# Altium PCB HV_Module_6W.PCBDOC (part 3 of 4)
Units mil, origin at the board's own origin, x right, y up, seen from the top; angles counter-clockwise.
Board outline 5826.77 x 3385.83 mil, 4 copper layers (Top, L2, L3, Bot), stack 62.992 mil thick; 457 components, 280 nets, 1264 pads, 435 vias.
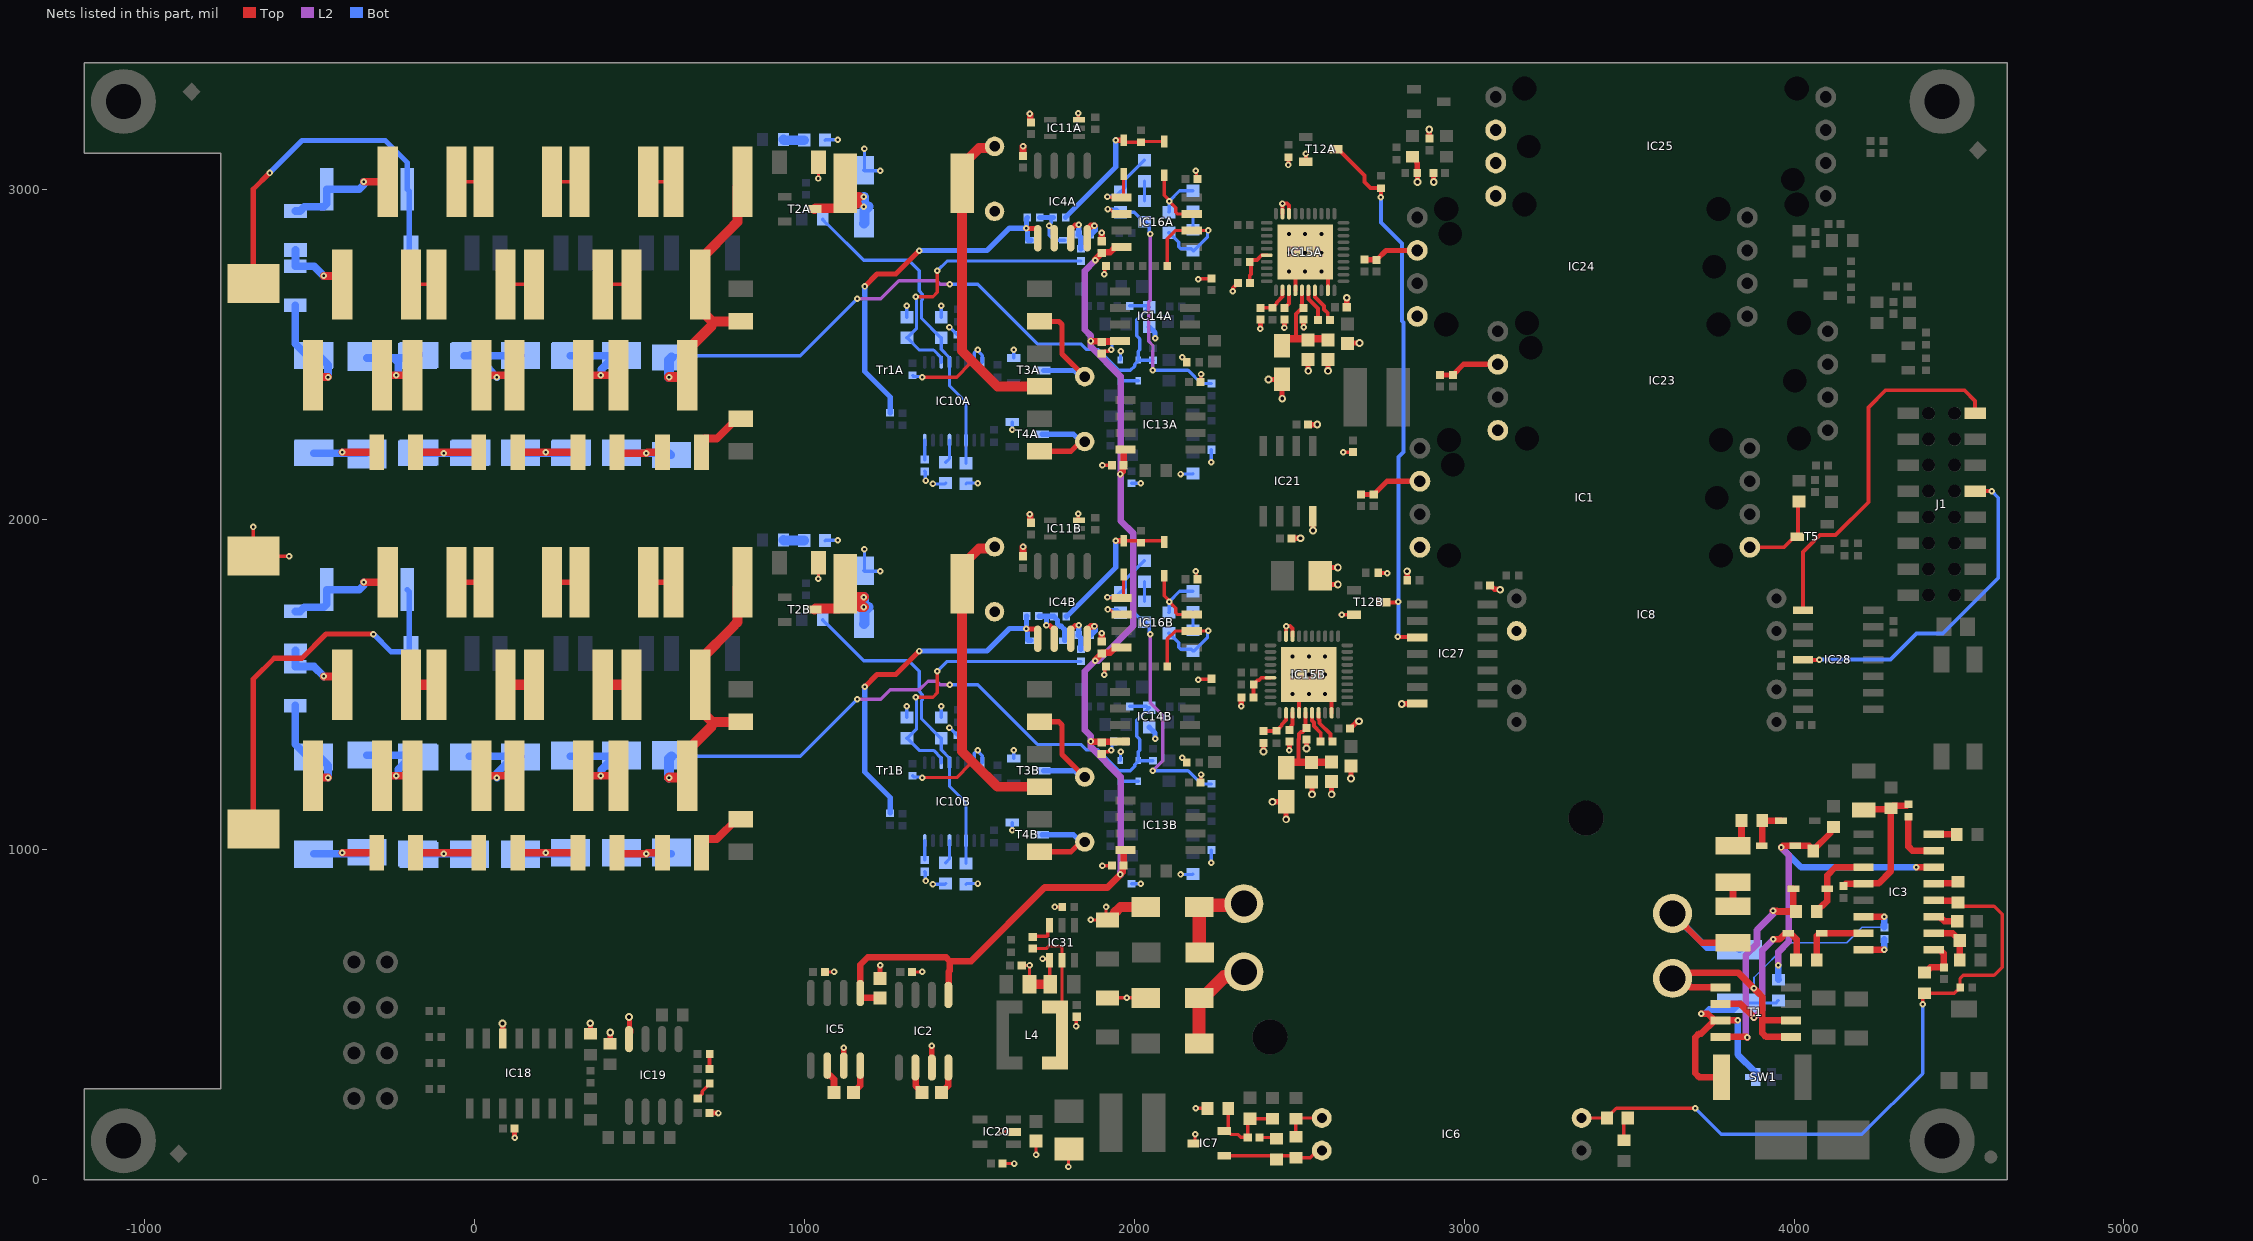
[diagram p5: the nets of this part, all layers, seen from the top]

## Via types
v1: diameter 19.68, hole 7.87, Top to Bot, tented both sides, 271 vias
v2: diameter 23.62, hole 11.81, Top to Bot, 80 vias
v3: diameter 19.68, hole 7.87, Top to Bot, 61 vias
v4: diameter 27.56, hole 15.75, Top to Bot, 23 vias

## Nets (pads, with @x,y where several pads share a name; then routed paths per layer and width w, separated by ;. In a path a pad name is that pad's centre, name@x,y a point inside that pad or via, vN(x,y) a via of type N, cw(c..) or ccw(c..) an arc to the next point about the centre after c; other vN are vias at no path point) (continued)
GNDp: C2.2 C3.2 C5A.1 C5B.1 C7.2 C8.1 C10.1 C11A.1 C11B.1 C12A.1 C12B.1 C14A.2 C14B.2 C15A.1 C15B.1 C16A.1 C16B.1 C17A.1 C17B.1 C18A.1 C18B.1 C19A.1 C19B.1 C20A.1 C20B.1 C21A.1 C21B.1 C22A.1 C22B.1 C24A.1 C24B.1 C25.1 C32.1 C34.2 C35.2 C42.1 C45.1 C47.1 C50.2 C51.1 C52.1 C53.2 C54.1 C55.1 C57.1 C59.1 C62.1 C65.1 C66.1 C67.1 C68.2 C69A.1 C69B.1 C70A.2 C70B.2 C71A.1 C71B.1 C72A.1 C72B.1 C74A.2 C74B.2 C75A.2 C75B.2 C77A.1 C77B.1 C81A.1 C81B.1 C82A.1 C82B.1 C84A.1 C84B.1 C85A.1 C85B.1 C88A.1 C88B.1 C89A.1 C89B.1 C92A.1 C92B.1 C93A.1 C93B.1 C97.2 C100.2 D7.2 D8.2 D11A.2 D11B.2 D18A.1 D18B.1 IC1.5 IC1.7 IC2.3 IC4A.4 IC4B.4 IC5.3 IC7.3 IC8.2 IC10A.15 IC10A.16 IC10B.15 IC10B.16 IC11A.3 IC11B.3 IC15A.18 IC15A.19 IC15A.34 IC15A.39 IC15A.41 IC15B.18 IC15B.19 IC15B.34 IC15B.39 IC15B.41 IC18.12 IC19.4 IC20.2 IC21.4 IC23.5 IC23.7 IC24.5 IC24.7 IC25.2 IC25.3 IC25.4 IC27.7 IC31.1 J3.1 R8.1 R21.1 R37.1 R46A.2 R46B.2 R55A.2 R55B.2 R58A.1 R58B.1 R59.1 R60A.2 R60B.2 R64A.1 R64B.1 R68.1 R92A.1 R92B.1 R104.1 R105.1 R111A.1 R111B.1 T3A.2 T3B.2 T4A.2 T4B.2 T12A.2 T12B.2 | length 6194.8
  Top w10: v1(-669.29,1978.35) J3.1@-669.29,1889.76 v1(-561.02,1889.76) ; v1(1043.31,1820.87) C70B.2@1043.31,1870.08 ; v1(1043.31,3034.45) C70A.2@1043.31,3083.66 ; C68.2@1062.99,629.92 v1(1090.55,629.92) ; C97.2@1326.77,629.92 v1(1357.48,629.92) ; v1(1597.21,147.64) 1598.59,146.26 1633.46,146.26 IC20.2@1634.84,144.89 ; C66.1@1601.37,49.21 v1(1636.81,49.21) ; C42.1@1659.45,649.61 v1(1683.07,649.61) C45.1@1683.07,592.52 ; v1(1702.76,75.35) C47.1@1702.76,118.11 ; v1(1722.44,669.29) 1740.16,669.29 IC31.1@1744.09,665.35 1744.09,594.49 C32.1@1746.06,592.52 ; v1(1759.93,826.77) R8.1@1781.69,826.77 ; v1(1801.18,39.37) 1801.18,91.46 C100.2@1802.88,93.16 ; v1(1823.98,464.89) 1825.09,466 1825.09,492.99 C25.1@1826.19,494.09 ; v1(1830.52,2018.86) 1830.52,2001.37 IC11B.3@1832.87,1999.02 ; v1(1830.52,3232.44) 1830.52,3214.95 IC11A.3@1832.87,3212.6 ; v1(1869.07,787.4) C34.2@1919.29,787.4 1914.96,791.73 v1(1914.96,826.77) ; C20B.1@1902,1289.96 1909.21,1297.17 1923.96,1297.17 1928.69,1301.89 v1(1931.31,1301.89) ; C20A.1@1902,2503.54 1909.21,2510.75 1923.96,2510.75 1928.69,2515.47 v1(1931.31,2515.47) ; v1(1904.21,951.77) C22B.1@1932.68,951.77 ; v1(1904.21,2165.35) C22A.1@1932.68,2165.35 ; v1(1909.45,1531.1) 1911.3,1532.96 1911.3,1552.44 C93B.1@1914.96,1556.1 ; v1(1909.45,2744.69) 1911.3,2746.54 1911.3,2766.03 C93A.1@1914.96,2769.69 ; C35.2@1919.29,551.18 v1(1978.35,551.18) D8.2@2035.43,551.18 ; v1(2145.66,1279.52) 2145.66,1279.33 2160.24,1264.76 R92B.1@2160.24,1263.98 ; v1(2145.66,2493.11) 2145.66,2492.92 2160.24,2478.35 R92A.1@2160.24,2477.56 ; IC7.3@2183.07,110.24 2184.83,112 v1(2184.83,137.41) ; v1(2186.65,216.54) R37.1@2222.44,216.54 ; v1(2187.2,1844.54) 2189.06,1842.68 2189.06,1822.36 C89B.1@2191.54,1819.88 ; v1(2187.2,3058.12) 2189.06,3056.26 2189.06,3035.94 C89A.1@2191.54,3033.46 ; v1(2194.88,1515.74) 2196.16,1517.03 2232.97,1517.03 C92B.1@2234.25,1518.31 ; v1(2194.88,2729.33) 2196.16,2730.61 2232.97,2730.61 C92A.1@2234.25,2731.89 ; C16B.1@2201.38,1203.94 2202.09,1204.65 2202.09,1227.37 v1(2202.81,1228.08) ; C16A.1@2201.38,2417.52 2202.09,2418.23 2202.09,2440.95 v1(2202.81,2441.67) ; v1(2633.33,2204.92) C57.1@2663.3,2204.92
  Top w11.81: v1(2298.74,2692.5) 2300.25,2694.01 2300.25,2702.52 2316.24,2718.51 C5A.1@2316.24,2723.26 ; IC15A.19@2449.61,2927.79 2449.61,2958.4 v1(2449.76,2958.55) 2464.06,2958.55 2469.29,2953.33 IC15A.18@2469.29,2927.79 ; IC15B.19@2460.63,1647.24 2460.63,1677.85 v1(2460.78,1678) 2460.93,1677.85 2472.85,1677.85 2480.31,1670.39 IC15B.18@2480.31,1647.24 ; R64A.1@2467.72,3099.55 R64A.1@2467.72,3099.55 2467.76,3075.53 v3(2467.79,3075.49) ; C11B.1@2470.47,1327.95 C11B.1@2470.62,1327.8 ; v3@2470.62,1303.75 v3@2470.77,1303.6 ; IC15A.34@2488.98,2695.51 2488.98,2782.12 IC15A.41@2518.5,2811.65 2587.4,2742.75 IC15A.39@2587.4,2695.51 ; IC15B.34@2500,1414.96 2500,1501.57 v2(2529.53,1531.1) 2598.43,1462.2 IC15B.39@2598.43,1414.96 ; T12A.2@2520.47,3085.43 v3@2520.47,3109.41 ; v3@2625.38,1712.2 T12B.2@2666.26,1712.2 ; R64B.1@2739.67,1839.57 2740.54,1838.7 2766.69,1838.7 v3(2767.56,1837.83)
  Top w15.75: v2(86.05,473.16) 86.34,472.86 IC18.12@86.34,445.85 ; C51.1@122.56,154.72 122.56,127.71 v3(122.86,127.42) ; v2(351.89,474.35) 352.19,474.05 R59.1@352.19,447.04 ; v2(412.31,446.15) 412.61,445.85 R68.1@412.61,418.84 ; v2(469.42,492.84) 470.92,491.33 470.92,457.7 474.73,453.89 IC19.4@474.73,447.26 ; C52.1@713.12,201.97 740.13,201.97 v3(740.43,202.27) ; IC5.3@1120.08,345.91 v1(1120.08,400.6) ; C67.1@1230.31,610.24 v1(1230.31,649.61) ; IC2.3@1387.01,340.13 v1(1387.01,406.27) ; C5B.1@2324.8,1462.2 2324.8,1435.19 v3(2325.1,1434.9) ; v3(2382.68,2578.78) C12A.1@2382.68,2606.73 ; C12B.1@2391.73,1324.02 2392.03,1323.72 2392.03,1297.8 v2(2392.33,1297.5) ; v2(2407.22,2425.15) 2407.52,2425.45 2445.42,2425.45 C14A.2@2445.72,2425.75 ; v2(2419.62,1145.33) 2419.92,1145.63 2457.82,1145.63 C14B.2@2458.12,1145.93 ; C14A.2@2448.32,2405.76 2448.62,2405.45 2448.62,2367.56 v2(2448.93,2367.25) ; C11A.1@2455.48,2609.13 2455.48,2582.11 v3(2455.77,2581.82) ; C14B.2@2460.33,1130.88 2460.63,1130.58 2460.63,1092.68 v2(2460.93,1092.38) ; v3@2470.62,1303.75 C11B.1@2470.62,1327.8 ; C54.1@2477.06,1943.96 2504.07,1943.96 v2(2504.37,1944.26) ; C18A.1@2513.83,2609.43 2513.83,2582.42 v3@2514.13,2582.12 ; C18B.1@2522.39,1333.86 2522.39,1306.85 v2(2522.68,1306.55) ; C17A.1@2527.06,2496.99 C17A.1@2527.36,2496.69 ; C17A.1@2527.36,2489.8 2527.36,2451.9 v2(2527.67,2451.6) ; C55.1@2527.64,2288.45 2554.65,2288.45 v2(2554.95,2288.75) ; C17B.1@2538.78,1193.04 2538.78,1166.03 v2@2539.07,1165.74 ; IC21.4@2541.94,1994.64 2541.94,1967.63 v2(2542.23,1967.33) ; C15A.1@2587.1,2496.99 C15A.1@2587.4,2496.69 ; C15A.1@2587.4,2489.8 2587.4,2451.9 v2(2587.7,2451.6) ; C53.2@2590.16,1855.25 2617.17,1855.25 v2(2617.47,1855.55) ; C53.2@2592.34,1803.57 2619.35,1803.57 v2@2619.65,1803.87 ; C15B.1@2598.12,1206.6 C15B.1@2598.43,1206.3 2598.43,1168.4 v2(2598.73,1168.1) ; v2(2644.39,2672.98) 2644.68,2672.68 C24A.1@2644.68,2645.67 ; C19A.1@2646.46,2535.05 2646.96,2535.56 2682.56,2535.56 v2(2683.07,2536.06) ; C24B.1@2654.52,1367.42 2675.08,1387.98 2680.32,1387.98 v2(2681.83,1389.48) ; C19B.1@2657.18,1254.81 C19B.1@2657.48,1254.5 2657.48,1216.61 v2(2657.78,1216.3) ; C59.1@2687.18,2076.77 C2.2@2726.38,2076.77 2766.54,2116.93 IC1.7@2866.14,2116.93 ; C8.1@2698.07,2788.39 2698.25,2788.21 2735.06,2788.21 C7.2@2735.24,2788.03 2763.07,2815.87 2857.6,2815.87 IC24.7@2858.27,2816.54 ; v2(2811.27,1442.22) 2811.57,1442.52 IC27.7@2838.58,1442.52 ; v2(2827.66,1844.24) 2827.95,1843.94 R21.1@2827.95,1816.93 ; R105.1@2844.49,3100 2846.46,3100 2856.3,3090.16 2856.3,3082.9 2858.27,3080.93 R104.1@2858.27,3051.18 2858.56,3050.88 2858.56,3023.87 v2(2858.86,3023.57) ; v2(2894.39,3182.82) 2894.68,3182.52 C65.1@2894.68,3155.51 ; C62.1@2907.48,3051.18 2907.78,3050.88 2907.78,3023.87 v2(2908.07,3023.57) ; C10.1@2927.2,2438.23 2927.57,2438.6 2965.77,2438.6 C3.2@2966.14,2438.98 2998.43,2471.26 IC23.7@3102.36,2471.26 ; C50.2@3078.74,1801.18 3083.07,1796.85 3085.15,1796.85 3092.3,1789.71 3107.93,1789.71 v2(3109.42,1788.22)
  Top w20: C85B.1@1663.39,1889.57 v1(1663.39,1918.31) ; C85A.1@1663.39,3103.15 v1(1663.39,3131.89) ; v1(1683.39,2017.4) 1685,2015.79 1685,1993.35 C84B.1@1687.2,1991.14 ; v1(1683.39,3230.98) 1685,3229.37 1685,3206.93 C84A.1@1687.2,3204.72 ; IC4B.4@1858.07,1639.76 1858.07,1666.68 1869.07,1677.68 v1(1879.92,1677.68) ; IC4A.4@1858.07,2853.35 1858.07,2880.26 1869.07,2891.26 v1(1879.92,2891.26) ; C21B.1@1902,1630.71 v1(1902,1656.5) ; C21A.1@1902,2844.29 v1(1902,2870.08)
  Top w30: C45.1@1683.07,592.52 C32.1@1746.06,592.52 ; C34.2@1919.29,787.4 1932.09,787.4 1939.72,795.04 1939.72,807.83 1958.66,826.77 D7.2@2035.43,826.77
  Bot w10: C71B.1@1063.42,1936.81 1065.15,1938.54 v1(1102.36,1938.54) ; C71A.1@1063.42,3150.39 1065.15,3152.13 v1(1102.36,3152.13) ; v1(1182.83,1910.43) 1182.83,1847.98 D11B.2@1181.1,1846.26 1182.83,1844.54 v1(1230.31,1844.54) ; v1(1182.83,3124.02) 1182.83,3061.57 D11A.2@1181.1,3059.84 1182.83,3058.12 v1(1230.31,3058.12) ; C77B.1@1311.02,1400.79 v1(1311.02,1434.9) ; C77A.1@1311.02,2614.37 v1(1311.02,2648.48) ; C74B.2@1365.55,933.46 1366.83,932.19 1366.83,906.79 v1(1368.11,905.51) ; C74A.2@1365.55,2147.05 1366.83,2145.77 1366.83,2120.37 v1(1368.11,2119.09) ; v1(1390.55,895.28) 1426.57,895.28 C81B.1@1429.13,897.83 ; v1(1390.55,2108.86) 1426.57,2108.86 C81A.1@1429.13,2111.42 ; C75B.2@1415.55,1400.79 v1(1415.55,1434.9) ; C75A.2@1415.55,2614.37 v1(1415.55,2648.48) ; v1(1440.51,1370.37) 1441.58,1370.37 1464.76,1347.18 R46B.2@1465.55,1347.18 ; v1(1440.51,2583.95) 1441.58,2583.95 1464.76,2560.77 R46A.2@1465.55,2560.77 ; C72B.1@1490.55,895.28 1493.11,897.83 v1(1525.59,897.83) ; C72A.1@1490.55,2108.86 1493.11,2111.42 v1(1525.59,2111.42) ; IC10B.15@1515.55,1263.98 1515.9,1264.32 1515.9,1292.2 v1(1525.59,1301.89) 1525.59,1299.27 1540.2,1284.65 1540.2,1264.32 IC10B.16@1540.55,1263.98 ; IC10A.15@1515.55,2477.56 1515.9,2477.91 1515.9,2505.78 v1(1525.59,2515.47) 1525.59,2512.85 1540.2,2498.24 1540.2,2477.91 IC10A.16@1540.55,2477.56 ; v3(1630.98,1059.06) T4B.2@1630.98,1083 ; v3(1630.98,2272.64) T4A.2@1630.98,2296.58 ; T3B.2@1634.84,1276.77 v3(1634.84,1301.1) ; T3A.2@1634.84,2490.35 v3(1634.84,2515.28) ; v1(1931.31,1301.89) 1933.16,1303.74 1933.16,1323.92 R111B.1@1937.92,1328.68 ; v1(1931.31,2515.47) 1933.16,2517.33 1933.16,2537.51 R111A.1@1937.92,2542.26 ; D18B.1@1958.27,1270.87 1958.76,1271.36 1958.76,1297.01 v1(1959.25,1297.5) ; D18A.1@1958.27,2484.45 1958.76,2484.94 1958.76,2510.6 v1(1959.25,2511.09) ; R58B.1@1992.32,896.85 v1(2020.67,896.85) ; R58A.1@1992.32,2110.43 v1(2020.67,2110.43) ; v1(2140.78,925.2) 2177.17,925.2 R60B.2@2178.74,926.77 ; v1(2140.78,2138.78) 2177.17,2138.78 R60A.2@2178.74,2140.35 ; v1(2234.25,961.05) C88B.1@2234.25,998.85 ; v1(2234.25,2174.64) C88A.1@2234.25,2212.43
  Bot w15.75: C82B.1@2045.98,1371.26 2063.22,1354.02 2063.22,1336.9 v1(2063.97,1336.15) ; C82A.1@2045.98,2584.84 2063.22,2567.61 2063.22,2550.48 v1(2063.97,2549.73)
  Bot w20: R55B.2@1867.72,1651.27 1867.72,1652.05 1879.92,1664.26 v1(1879.92,1677.68) ; R55A.2@1867.72,2864.85 1867.72,2865.64 1879.92,2877.84 v1(1879.92,2891.26)
  other v2: 2539.07,1168.1 2480.62,1472.05 2529.53,1472.05 2578.44,1472.05 2480.62,1531.1 2578.74,1531.1 2480.62,1585.99 2529.53,1585.99 2578.74,1585.99 2617.47,1803.87 2469.59,2752.6 2518.5,2752.6 2567.41,2752.6 2469.59,2809.57 2518.5,2809.57 2567.72,2809.57 2469.59,2866.54 2518.5,2866.54 2567.72,2866.54
  other v3: 2470.77,1302.17 2629.32,1712.2 2514.13,2583.1 2520.43,3109.45
HV_ACA: C73A.1 Tr1A.9 | length 179
  Top w23.62: C73A.1@688.98,2204.72 688.98,2235.24 699.8,2246.06 735.43,2246.06 795.47,2306.1 Tr1A.9@808.07,2306.1
HV_ACB: C73B.1 Tr1B.9 | length 179
  Top w23.62: C73B.1@688.98,991.14 688.98,1021.65 699.8,1032.48 735.43,1032.48 795.47,1092.52 Tr1B.9@808.07,1092.52
HV_EN: IC28.1 J1.15 | length 1120.4
  Top w11.81: IC28.1@4027.56,1725.79 4027.56,1902.8 4078.34,1953.58 4125.83,1953.58 4225.39,2053.15 4225.39,2340.75 4277.36,2392.72 4516.37,2392.72 4548.79,2360.3 J1.15@4548.79,2323
HV_OUTA: J7.1 R43A.2 R76A.2 | length 1120.3
  Top w15.75: J7.1@-669.29,2716.54 -669.29,3001.97 v1(-620.08,3051.18)
  Bot w15.75: v1(-620.08,3051.18) -521.65,3149.61 -269.69,3149.61 -202.76,3082.68 R43A.2@-202.76,3001.97 -196.85,2996.06 -196.85,2813.98 R76A.2@-190.94,2808.07
HV_OUTB: J4.1 R43B.2 R76B.2 | length 1195.6
  Top w15.75: J4.1@-669.29,1062.99 -669.29,1517.22 -605.81,1580.71 -521.65,1580.71 -448.82,1653.54 v1(-305.12,1653.54)
  Bot w15.75: v1(-305.12,1653.54) -251.97,1600.39 -196.85,1600.39 -196.85,1782.48 R43B.2@-202.76,1788.39
INT0: IC28.4 J1.9 | length 1015.9
  Top w11.81: IC28.4@4027.56,1575.79 4076.59,1575.79 v3(4077.22,1576.41) ; J1.9@4548.79,2086.78 v3(4599.11,2086.78)
  Bot w11.81: v3(4077.22,1576.41) 4292.95,1576.41 4371.57,1655.04 4450.74,1655.04 4618.92,1823.22 4618.92,2066.97 v3(4599.11,2086.78)
INT0_ISOLn: IC27.3 R107.1 T12A.3 T12B.3 | length 1697.2
  Top w11.81: T12A.3@2611.02,3122.83 2618.9,3122.83 2698.07,3043.66 2698.07,3023.57 2716.28,3005.37 R107.1@2748.03,3005.37 v3@2748.03,2981.5 ; T12B.3@2756.81,1749.61 2798.5,1749.61 v3(2800.92,1752.03) ; v3(2799.21,1645.67) 2800.2,1644.68 2857.28,1644.68 IC27.3@2858.27,1643.7
  Bot w11.81: v3@2748.03,2981.5 2748.03,2901.57 2812.08,2837.53 2812.08,2602.76 2816.02,2598.82 2816.02,2205.97 2800.92,2190.87 v3(2800.92,1752.03) 2800.92,1647.38 v3(2799.21,1645.67)
  other v3: 2748.03,2977.56
N3V3p: C20A.2 C20B.2 C21A.2 C21B.2 C22A.2 C22B.2 C67.2 IC2.5 IC5.5 IC13A.4 IC13B.4 IC14A.4 IC14B.4 IC16A.4 IC16B.4 | length 3767
  Top w20: C67.2@1230.31,551.18 1171.93,551.18 1170.08,553.03 IC5.5@1170.08,565.91 1170.08,651.54 1192.75,674.21 1219.79,674.21 1220.02,674.45 1240.61,674.45 1240.84,674.21 1429.86,674.21 1441.58,662.5 ; IC2.5@1437.01,560.13 1437.77,560.89 1437.77,629.98 1441.58,633.78 1441.58,662.5 ; v1(1869.07,1328.34) 1869.8,1327.6 1899.8,1327.6 C20B.2@1902,1325.39 1903.58,1326.97 1955.71,1326.97 IC14B.4@1957.28,1328.54 ; v1(1869.07,2541.92) 1869.8,2541.18 1899.8,2541.18 C20A.2@1902,2538.98 1903.58,2540.55 1955.71,2540.55 IC14A.4@1957.28,2542.13 ; v1(1882.32,1572.83) 1882.32,1575.59 C21B.2@1902,1595.28 1904.21,1597.48 1927.99,1597.48 1943.5,1612.99 IC16B.4@1962.2,1612.99 ; v1(1882.32,2786.42) 1882.32,2789.17 C21A.2@1902,2808.86 1904.21,2811.06 1927.99,2811.06 1943.5,2826.57 IC16A.4@1962.2,2826.57 ; v1(1958.66,2138.78) 1965.91,2146.03 1965.91,2163.15 C22A.2@1968.11,2165.35 1968.11,2211.22 1969.92,2213.03 IC13A.4@1974.05,2213.03 ; IC13B.4@1974.05,999.45 1969.92,999.45 1968.11,997.64 C22B.2@1968.11,951.77 1965.91,949.57 1965.91,932.44 v1(1958.66,925.19) 1919.29,885.83 1728.94,885.83 1505.61,662.5 1441.58,662.5
  L2 w20: v1(1882.32,2786.42) 1850.39,2754.5 1850.39,2576.26 1869.07,2557.58 v1(1869.07,2541.92) 1869.07,2524.83 1959.25,2434.65 1959.25,1997.36 1998.03,1958.58 1998.03,1679.26 1891.61,1572.83 v1(1882.32,1572.83) 1850.39,1540.91 1850.39,1362.67 1869.07,1344 v1(1869.07,1328.34) 1869.07,1311.25 1959.25,1221.06 1959.25,934.06 1958.66,933.46 v1(1958.66,925.19)
NetC5A_2: C5A.2 IC15A.26 R22A.1 | length 117.8
  Top w11.81: C5A.2@2350.79,2717.63 2350.39,2718.02 2350.39,2740.93 2353.82,2744.36 2353.82,2778.5 R22A.1@2351.18,2781.14 ; R22A.1@2356.69,2787.44 2372.09,2787.44 2386.46,2801.81 IC15A.26@2402.36,2801.81
NetC5B_2: C5B.2 IC15B.26 R22B.1 | length 90.9
  Top w11.81: C5B.2@2361.42,1462.2 2361.81,1462.6 2361.81,1501.18 R22B.1@2362.2,1501.57 ; R22B.1@2367.72,1507.87 2373.74,1513.9 2378.14,1513.9 2385.5,1521.26 IC15B.26@2413.39,1521.26
NetC11A_2: C11A.2 IC15A.33 | length 58.9
  Top w11.81: C11A.2@2455.51,2642.36 2469.29,2656.14 IC15A.33@2469.29,2695.51
NetC11B_2: C11B.2 IC15B.33 | length 49.7
  Top w11.81: C11B.2@2470.47,1369.29 2480.31,1379.13 IC15B.33@2480.31,1414.96
NetC12A_2: C12A.2 IC15A.32 R20A.1 | length 102.2
  Top w11.81: C12A.2@2382.68,2642.36 2383.07,2642.75 2418.7,2642.75 R20A.1@2419.09,2643.15 2419.88,2643.15 2432.4,2655.67 2432.4,2659.08 2449.61,2676.29 IC15A.32@2449.61,2695.51
NetC12B_2: C12B.2 IC15B.32 R20B.1 | length 98.5
  Top w11.81: C12B.2@2391.73,1359.45 2392.13,1359.84 2430.71,1359.84 R20B.1@2431.1,1360.24 ; R20B.1@2437.4,1365.75 2437.4,1366.54 2447.36,1376.5 2447.36,1380.11 2460.63,1393.38 IC15B.32@2460.63,1414.96
NetC13A_1: C13A.1 IC15A.36 | length 102.8
  Top w11.81: IC15A.36@2528.35,2695.51 2528.35,2669.52 2557.87,2640 C13A.1@2557.87,2604.96
NetC13A_2: C13A.2 IC15A.37 | length 109.3
  Top w11.81: IC15A.37@2548.03,2695.51 2548.03,2675.52 2575.59,2647.96 2575.59,2637.96 2587.01,2626.54 2587.01,2611.26 C13A.2@2593.31,2604.96
NetC13B_1: C13B.1 IC15B.36 | length 97.5
  Top w11.81: IC15B.36@2539.37,1414.96 2539.37,1392.14 2545.5,1386.01 2545.5,1374.67 2565.6,1354.57 C13B.1@2565.6,1328.34
NetC13B_2: C13B.2 IC15B.37 | length 104
  Top w11.81: IC15B.37@2559.06,1414.96 2559.06,1396.23 2562.31,1392.98 2562.31,1383.6 2594.74,1351.18 2594.74,1334.63 C13B.2@2601.03,1328.34
NetC14A_1: C14A.1 C15A.2 C17A.2 C18A.2 IC15A.35 | length 312.9
  Top w11.81: 2490.47,2548.86 2490.47,2623.65 2502.88,2636.06 2507.28,2636.06 C18A.2@2513.58,2642.36 2508.66,2647.28 IC15A.35@2508.66,2695.51
  Top w23.62: C14A.1@2448.62,2528.11 2448.62,2536.06 2461.42,2548.86 2490.47,2548.86 2527.36,2548.86 C15A.2@2587.4,2548.86
NetC14B_1: C14B.1 C15B.2 C17B.2 C18B.2 IC15B.35 | length 327.6
  Top w11.81: C14B.1@2460.84,1248.37 2472.85,1260.38 2496.25,1260.38 2498.82,1262.95 2498.82,1334.51 2499.28,1334.97 2499.28,1350.58 2505.67,1356.97 2510.06,1356.97 C18B.2@2522.39,1369.29 2519.69,1371.99 IC15B.35@2519.69,1414.96
  Top w23.62: C14B.1@2480.31,1265.35 2498.82,1265.35 2539.37,1265.35 C15B.2@2598.43,1265.35
NetC23_1: C23.1 IC31.6 | length 82
  Top w10: C23.1@1692.91,736.22 1694.88,738.19 1738.24,738.19 1738.27,765.83 IC31.6@1744.09,771.65
NetC23_2: C23.2 IC31.2 L4.1 | length 358.4
  Top w10: C23.2@1692.91,700.79 1734.25,700.79 1742.13,708.66 1775.64,708.66 1781.5,702.8 IC31.2@1781.5,665.35 L4.1@1781.5,438.71
NetC26_2: C26.2 IC3.1 R11.2 | length 142.9
  Top w20: R11.2@4395.83,627.95 4397.8,627.95 4413.55,643.7 C26.2@4454.89,643.7 4453.24,645.35 4453.24,685.91 4442.09,697.05 IC3.1@4423.39,697.05
NetC27_1: C27.1 IC3.3 | length 76.5
  Top w20: IC3.3@4423.39,797.05 4442.09,797.05 4443.91,795.24 4443.91,795.18 4455.62,783.46 C27.1@4494.26,783.46
NetC28_1: C28.1 IC3.2 R12.1 | length 147.7
  Top w20: IC3.2@4423.39,747.05 4480.48,747.05 4502.13,725.39 C28.1@4502.13,724.41 R12.1@4502.13,665.35
NetC29_1: C29.1 IC3.16 | length 95.4
  Top w20: IC3.16@4210.8,697.05 4210.99,696.85 v1(4273.62,696.85)
  Bot w20: v1(4273.62,696.85) C29.1@4273.62,729.33
NetC29_2: C29.2 IC3.14 L1.1 T1.1 T1.5 T1.6 | length 1340.9
  Top w20: T1.1@3777.72,582.87 3685.8,582.87 3658.44,610.24 L1.1@3631.89,610.24 3649.61,627.95 3830.56,627.95 3891.11,567.4 3903.71,554.8 3903.71,482.87 ; T1.5@3990.32,432.87 3915.42,432.87 3903.71,444.59 3903.71,482.87 ; T1.6@3990.32,482.87 3903.71,482.87 ; IC3.14@4210.8,797.05 v1(4273.62,797.05)
  Bot w5: v3(3878.71,579.8) 3878.71,612.8 3984.42,718.5 4159.45,718.5 4205.71,764.76 C29.2@4273.62,764.76
  Bot w20: C29.2@4273.62,764.76 v1(4273.62,797.05)
NetC33_1: C33.1 IC5.4 | length 89.4
  Top w20: C33.1@1149.61,264.94 1170.08,285.42 IC5.4@1170.08,345.91
NetC33_2: C33.2 IC5.2 | length 92.9
  Top w20: IC5.2@1070.08,345.91 1070.08,318.99 1071.93,317.15 1077.75,317.15 1090.55,304.35 C33.2@1090.55,264.94
NetC36_1: C36.1 R26.1 R29.2 SW1.2 T1.3 | length 824
  Top w20: v1(3719.06,503.14) 3738.76,503.14 T1.3@3759.02,482.87 ; R29.2@3779.69,311.02 3712.5,311.02 3700.79,322.74 3700.79,431.2 3712.5,442.91 3719.06,442.91 T1.3@3759.02,482.87 ; v1(3828.87,482.87) T1.3@3759.02,482.87
  Bot w10: C36.1@3834.81,535.43 3945.05,535.43 R26.1@3952.92,543.31
  Bot w20: 3730.31,503.14 3743.09,515.91 3815.28,515.91 C36.1@3834.81,535.43 ; v1(3828.87,482.87) 3828.87,379.96 3884.02,324.8 SW1.2@3884.02,311.02
NetC36_2: C36.2 C40.2 L1.2 | length 468.5
  Top w20: L1.2@3631.89,807.09 3720.47,718.5 C40.2@3815.13,718.5
  Bot w20: L1.2@3631.89,807.09 3735.91,703.06 3828.6,703.06 C36.2@3834.81,696.85
NetC37_1: C37.1 C38.1 IC3.12 R10.1 R15.1 | length 496.5
  Top w20: C38.1@4149.77,889.76 4157.05,897.05 IC3.12@4210.8,897.05 4212.61,898.86 4257.13,898.86 4293.64,935.37 R10.1@4293.64,1125.98 ; C37.1@4210.8,1120.08 4213.75,1123.03 4290.68,1123.03 R10.1@4293.64,1125.98 ; R15.1@4346.62,1137.8 4345.83,1137.8 4341.74,1133.7 4301.35,1133.7 R10.1@4293.64,1125.98
NetC39_1: C39.1 R30.1 | length 92.7
  Top w20: C39.1@3815.13,1011.81 3824.14,1011.81 3840.72,1028.39 R30.1@3840.72,1088.58